# Altium PCB 大风车.PcbDoc (continued)
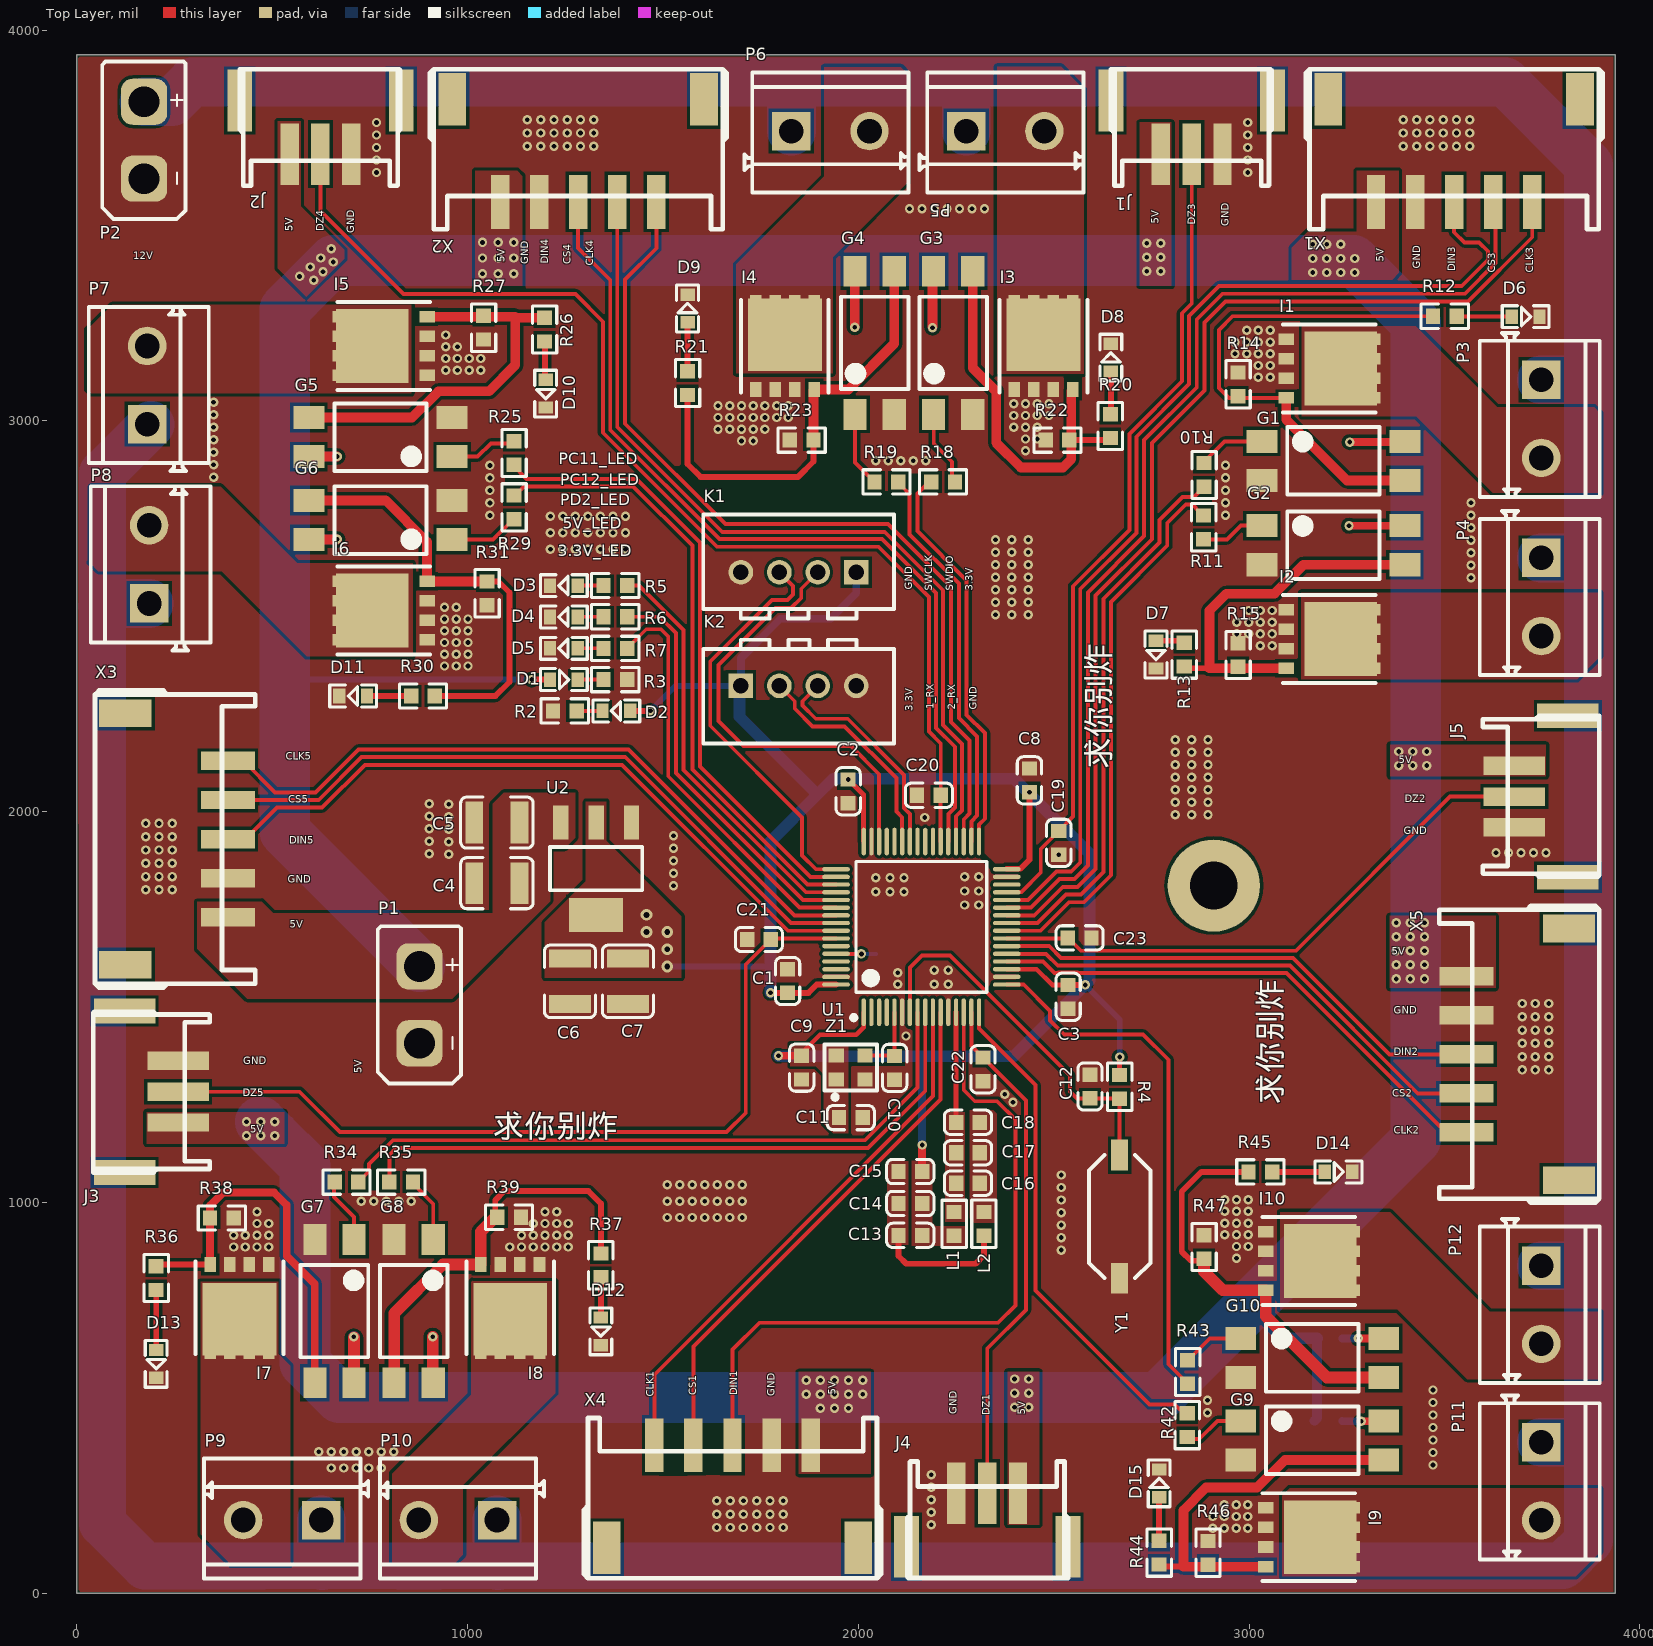
[diagram p0: Top Layer view]
## Nets (pads, with @x,y where several pads share a name; then routed paths per layer and width w, separated by ;. In a path a pad name is that pad's centre, name@x,y a point inside that pad or via, vN(x,y) a via of type N, cw(c..) or ccw(c..) an arc to the next point about the centre after c; other vN are vias at no path point)
3.3V: C1.1 C2.1 C3.1 C6.2 C7.2 C8.2 C9.2 C11.1 C13.2 C14.2 C15.2 D2.1 K1.1 K2.1 L1.1 R4.2 U1.1 U1.19 U1.32 U1.48 U1.64 U2.2 Z1.1 Z1.4 | length 5640.3
  Top Layer w12: C9.2 1855,1382 1902,1429 1995,1429 2013.86,1447.86 U1.1 ; U1.19 2456.11,1596.89 2496.37,1556.63 C3.1
  Top Layer w13: v1(1974,2082.63) 2013,2043.63 2013,1924.2 U1.48@2013.54,1923.66 ; R4.2 v1(2669,1372)
  Top Layer w15: D2.1 v1(1468,2258) ; v1(1775.37,1536.37) C1.1 1872.37,1536.37 1893.52,1557.52 U1.64 ; U1.32@2380,1854.12 2415.12,1854.12 2438,1877 v1(2438,2050) ; C3.1 v1(2580.63,1556.63)
  Top Layer w20: v1(1795.71,1375.29) C9.2 ; C15.2 v1(2163.37,1147)
  Bottom Layer w15: v1(1468,2258) 1532,2322 K2.1 ; v2(1511,1604) 1773.37,1604 1775.37,1606 ; v1(2580.63,1556.63) 2669,1468.26 v1(2669,1372)
  Bottom Layer w20: K2.1 1699.58,2393.57 1800,2494 1929,2494 1994.85,2559.85 K1.1 ; v1(2163.37,1147) 2163.37,1373.66 2164,1374.29
  Bottom Layer w30: K2.1 1696,2318.43 1696,2243 1895,2044 ; v1(1775.37,1536.37) 1775.37,1606 1775.37,1924.37 1895,2044 ; v1@1795.71,1374.29 2164,1374.29 2398.29,1374.29 v1(2580.63,1556.63) 2592,1568 2592,1892 2399.37,2084.63 1935.63,2084.63 1895,2044
  other v2: 1511,1648 1458,1692 1511,1692 1458,1736
5V: C4.2 C5.2 D1.1 J1.1 J2.1 J3.1 J4.1 J5.1 P1.1 R8.2 R9.2 R16.2 R17.2 R24.2 R28.2 R32.2 R33.2 R40.2 R41.2 U2.3 X1.1 X2.1 X3.1 X4.1 X5.1 | length 11845.1
  Top Layer w15: v1@1164,2338 v1(1164.12,2338.12) D1.1
  Bottom Layer w15: 532,2338 532.12,2338.12 v1(1164.12,2338.12)
  Bottom Layer w25: R40.2@3167.57,441 3174,447.43 R41.2@3174,652
  Bottom Layer w30: 3001,735 3084,652 R41.2 R41.2@3174,652
  Bottom Layer w130: v1(470.27,1206.26) v1(506.27,1170.26) 584,1092.53 584,589 672,501 2011,501 2767,501 3001,735 3427,1161 3427,1644 3427,2118 3427,3251 3267,3411 2190,3411 657,3411 v1(606,3360) 532,3286 532,2338 532,1949.12 P1.1
  other v1: 1903,473 1939,473 1975,473 2400,476 2436,476 1867,509 1903,509 1939,509 1975,509 2011,509 2400,512 2436,512 1867,545 1903,545 1939,545 1975,545 2011,545 2400,548 2436,548 434.27,1170.26 470.27,1170.26 434.27,1206.26 506.27,1206.26 3377,1572 3413,1572 3449,1572 3377,1608 3413,1608 3449,1608 3377,1644 3413,1644 3449,1644 3377,1680 3413,1680 3449,1680 3377,1716 3413,1716 3449,1716 3383,2118 3419,2118 3455,2118 3383,2154 3419,2154 3455,2154 570,3370 1038,3377 1078,3377 1118,3377 3163,3380 3199,3380 3235,3380 3271,3380 630,3382 2738,3383 2774,3383 597,3394 656,3407 3163,3416 3199,3416 3235,3416 3271,3416 624,3417 1038,3417 1078,3417 1118,3417 2738,3419 2774,3419 651,3441 3163,3452 3199,3452 3235,3452 2738,3455 2774,3455 1038,3457 1078,3457 1118,3457
12V: P2.1 P3.1 P4.1 P5.1 P6.1 P7.1 P8.1 P9.1 P10.1 P11.1 P12.1 | length 15153.1
  Bottom Layer w120: P7.1@190,2991 66,2867 66,2526 66,178 174.21,69.79 474.17,69.79 474.38,70 628,70 826.62,70 826.84,69.79 923.94,69.79 924.15,70 1078,70 3803,70 3869,136
  Bottom Layer w125: 66,2526 73,2533 P8.1 ; P2.1 244.09,3817.09 295,3868 1828,3868 ; P9.1 625.61,72.39 628,70 ; P10.1 1075.39,72.61 1078,70 ; P6.1 1828.61,3867.39 1828,3868 ; P5.1 2276.39,3864.61 2273,3868 ; 2529.68,3868 2273,3868 ; 2539,3868 3656,3868 3869,3655 3869,3107 ; P11.1 3869,386 ; P12.1 3867,838 3869,840 ; P4.1 3868.39,2649.61 3869,2649 ; P3.1 3867.39,3105.39 3869,3107 ; 3869,136 3869,386 ; 1828,3868 2273,3868 ; 3869,386 3869,840 ; 3869,840 3869,2649 ; 3869,2649 3869,3107
GND: C1.2 C2.2 C3.2 C4.1 C5.1 C6.1 C7.1 C8.1 C9.1 C10.2 C11.2 C12.2 C19.1 C20.1 C21.1 C22.1 C23.1 D3.2 D4.2 D5.2 D6.2 D7.2 D8.2 D9.2 D10.2 D11.2 D12.2 D13.2 D14.2 D15.2 G1.2 G2.2 G3.2 G4.2 G5.2 G6.2 G7.2 G8.2 G9.2 G10.2 I1.S I2.S I3.S I4.S I5.S I6.S I7.S I8.S I9.S I10.S J1.3 J2.3 J3.3 J4.3 J5.3 K1.4 K2.4 P1.2 P2.2 R1.2 R2.1 R3.2 R14.1 R15.1 R22.1 R23.1 R27.1 R31.1 R38.1 R39.1 R46.1 R47.1 U1.6 U1.12 U1.18 U1.31 U1.47 U1.63 U2.1 X1.2 X2.2 X3.2 X4.2 X5.2 Y1.1 Z1.2
  other v1: 2907,166 2937,166 2967,166 2997,166 1638,168 1672,168 1706,168 1740,168 1774,168 1808,168 2186.37,175 2907,196 2937,196 2967,196 2997,196 1638,202 1672,202 1706,202 1740,202 1774,202 1808,202 2186.37,207 2937,226 2967,226 2997,226 1638,236 1672,236 1706,236 1740,236 1774,236 1808,236 2186.37,239 2186.37,271 2186.37,303 651,320.11 683,320.11 715,320.11 747,320.11 779,320.11 3470.89,328 3470.89,360 619,362 651,362 683,362 715,362 747,362 779,362 811,362 3470.89,392 3470.89,424 3470.89,456 2893.89,461.73 3470.89,488 2893.89,493.73 3470.89,520 2968,857 2519.11,878 401,886 431,886 461,886 491,886 1108,886 1138,886 1168,886 1198,886 1228,886 1258,886 2968,887 2998,887 2519.11,910 401,916 431,916 461,916 491,916 1138,916 1168,916 1198,916 1228,916 1258,916 2938,917 2968,917 2998,917 2519.11,942 461,946 491,946 1168,946 1198,946 1228,946 1258,946 2938,947 2968,947 2998,947 1511,961.33 1543,961.33 1575,961.33 1607,961.33 1639,961.33 1671,961.33 1703,961.33 2519.11,974 461,976 1198,976 1228,976 2938,977 2968,977 2998,977 727.73,1003.11 759.73,1003.11 791.73,1003.11 823.73,1003.11 855.73,1003.11 1511,1003.22 1543,1003.22 1575,1003.22 1607,1003.22 1639,1003.22 1671,1003.22 1703,1003.22 2519.11,1006 2938,1007 2968,1007 2998,1007 2519.11,1038 1511,1045.11 1543,1045.11 1575,1045.11 1607,1045.11 1639,1045.11 1671,1045.11 1703,1045.11 2519.11,1070 2396,1256 2375,1277 3699,1339.05 3733,1339.05 3767,1339.05 3699,1373.05 3733,1373.05 3767,1373.05 3699,1407.05 3733,1407.05 3767,1407.05 2122,1426 3699,1441.05 3733,1441.05 3767,1441.05 3699,1475.05 3733,1475.05 3767,1475.05 3699,1509.05 3733,1509.05 3767,1509.05 2101,1558 2194.4,1558.66 2230.4,1558.66 2101,1588 2194.4,1594.66 2230.4,1594.66 2272,1761.11 2308,1761.11 2045,1795 2081,1795 2117,1795 2272,1797.11 2308,1797.11 176.17,1799.95 210.17,1799.95 244.17,1799.95 1526.89,1810.73 2045,1831 2081,1831 2117,1831 2272,1833.11 2308,1833.11 176.17,1833.95 210.17,1833.95 244.17,1833.95 1526.89,1842.73 176.17,1867.95 210.17,1867.95 244.17,1867.95 1526.89,1874.73 2513,1890 952.04,1891.27 901.57,1892.12 3632,1895.11 3664,1895.11 3696,1895.11 3728,1895.11 3760,1895.11 176.17,1901.95 210.17,1901.95 244.17,1901.95 1526.89,1906.73 952.04,1923.27 901.57,1924.12 176.17,1935.95 210.17,1935.95 244.17,1935.95 1526.89,1938.73 952.04,1955.27 901.57,1956.12 176.17,1969.95 210.17,1969.95 244.17,1969.95 2170,1985 952.04,1987.27 901.57,1988.12 2811.11,1992.27 2853,1992.27 2894.89,1992.27 952.04,2019.27 901.57,2020.12 2811.11,2024.27 2853,2024.27 2894.89,2024.27 2811.11,2056.27 2853,2056.27 2894.89,2056.27 2811.11,2088.27 2853,2088.27 2894.89,2088.27 2811.11,2120.27 2853,2120.27 2894.89,2120.27 2811.11,2152.27 2853,2152.27 2894.89,2152.27 2811.11,2184.27 2853,2184.27 2894.89,2184.27 941,2373 971,2373 1001,2373 941,2403 971,2403 1001,2403 3029,2425 3059,2425 941,2433 971,2433 1001,2433 2969,2455 2999,2455 3029,2455 3059,2455 941,2463 971,2463 1001,2463 2969,2485 2999,2485 3029,2485 3059,2485 941,2493 971,2493 1001,2493 2351,2504 2392.89,2504 2434.78,2504 2999,2515 3029,2515 3059,2515 941,2523 971,2523 2351,2536 2392.89,2536 2434.78,2536 2351,2568 2392.89,2568 2434.78,2568 3568.11,2599 2351,2600 2392.89,2600 2434.78,2600 3568.11,2631 2351,2632 2392.89,2632 2434.78,2632 3568.11,2663 2351,2664 2392.89,2664 2434.78,2664 1212,2672.11 1244,2672.11 1276,2672.11 1308,2672.11 1340,2672.11 1372,2672.11 1404,2672.11 3568.11,2695 2351,2696 2392.89,2696 2434.78,2696 1212,2714 1244,2714 1276,2714 1308,2714 1340,2714 1372,2714 1404,2714 3568.11,2727 1212,2755.89 1244,2755.89 1276,2755.89 1308,2755.89 1340,2755.89 1372,2755.89 1404,2755.89 1057.11,2758.27 2939.89,2758.73 3568.11,2759 1057.11,2790.27 2939.89,2790.73 3568.11,2791 1057.11,2822.27 2939.89,2822.73 1057.11,2854.27 2939.89,2854.73 349.89,2856 1057.11,2886.27 2939.89,2886.73 349.89,2888 2044.73,2898.11 2076.73,2898.11 2108.73,2898.11 2140.73,2898.11 2172.73,2898.11 349.89,2920 2428,2924 1701,2949 1731,2949 349.89,2952 2428,2954 2458,2954 1641,2979 1671,2979 1701,2979 1731,2979 1761,2979 349.89,2984 2398,2984 2428,2984 2458,2984 1641,3009 1671,3009 1701,3009 1731,3009 1761,3009 1791,3009 1821,3009 2398,3014 2428,3014 2458,3014 2488,3014 349.89,3016 1641,3039 1671,3039 1701,3039 1731,3039 1761,3039 1791,3039 1821,3039 2398,3044 2428,3044 2458,3044 2488,3044 349.89,3048 3024,3112 3054,3112 944,3130 974,3130 1004,3130 1034,3130 3024,3142 3054,3142 944,3160 974,3160 1004,3160 1034,3160 2964,3172 2994,3172 3024,3172 3054,3172 944,3190 974,3190 2964,3202 2994,3202 3024,3202 3054,3202 944,3220 2994,3232 3024,3232 3054,3232 2131,3543.11 2163,3543.11 2195,3543.11 2227,3543.11 2259,3543.11 2291,3543.11 2323,3543.11 767,3636 2997,3636 767,3668 2997,3668 767,3700 2997,3700 1153,3703 1187,3703 1221,3703 1255,3703 1289,3703 1323,3703 3395,3703 3429,3703 3463,3703 3497,3703 3531,3703 3565,3703 767,3732 2997,3732 1153,3737 1187,3737 1221,3737 1255,3737 1289,3737 1323,3737 3395,3737 3429,3737 3463,3737 3497,3737 3531,3737 3565,3737 767,3764 2997,3764 1153,3771 1187,3771 1221,3771 1255,3771 1289,3771 1323,3771 3395,3771 3429,3771 3463,3771 3497,3771 3531,3771 3565,3771
NetC13_1: C13.1 C14.1 C15.1 L2.1 | length 339.5
  Top Layer w15: C13.1 2102.74,862.63 2122.37,843 2300.37,843 2321.37,864 L2.1
NetC16_1: C16.1 C17.1 C18.1 L2.2
NetD1_2: D1.2 R3.1 | length 66.1
  Top Layer w10: D1.2 1281.76,2338 R3.1
NetD2_2: D2.2 R2.2 | length 66.1
  Top Layer w10: R2.2 D2.2
NetD3_1: D3.1 R5.1 | length 66.3
  Top Layer w10: D3.1 1282.13,2579 R5.1
NetD4_1: D4.1 R6.1 | length 66.3
  Top Layer w10: D4.1 1282.26,2499 R6.1
NetD5_1: D5.1 R7.1 | length 66.2
  Top Layer w10: D5.1 1347.43,2418.25 R7.1
NetD6_1: D6.1 R12.1 | length 133.6
  Top Layer w10: R12.1@3539,3267 D6.1
NetD7_1: D7.1 R13.1 | length 73.3
  Top Layer w15: D7.1 2834.2,2437.43 R13.1@2835,2438.23
NetD8_1: D8.1 R20.1 | length 104.4
  Top Layer w15: D8.1 2647,3125.91 R20.1@2647,3022.43
NetD9_1: D9.1 R21.1 | length 120.1
  Top Layer w15: R21.1@1563,3132.43 D9.1
NetD10_1: D10.1 R26.1 | length 88.8
  Top Layer w15: R26.1@1198,3193.37 1198,3107.43 D10.1
NetD11_1: D11.1 R30.1 | length 107.9
  Top Layer w15: D11.1 R30.1@850.57,2296
NetD12_1: D12.1 R37.1 | length 98.1
  Top Layer w15: D12.1 R37.1@1341,803.57
NetD13_1: D13.1 R36.1 | length 148.4
  Top Layer w15: D13.1 R36.1@203,770.85
NetD14_1: D14.1 R45.1 | length 129.1
  Top Layer w15: R45.1@3064.43,1078 D14.1
NetD15_1: D15.1 R44.1 | length 106.6
  Top Layer w15: R44.1@2770,139 D15.1
NetG1_1: G1.1 R10.2 | length 171.2
  Top Layer w10: R10.2@2884,2894.43 2937.57,2948 G1.1
NetG1_3: G1.3 I1.G R12.2 R14.2 | length 1312.4
  Top Layer w10: I1.G@3095.01,3058.57 2948.43,3058.57 2923,3084 2923,3233 2958,3268 R12.2@3465.57,3268
  Top Layer w25: I1.G 3095.01,3058.57 3095.01,3003.99 3251,2848 G1.3
NetG1_4: G1.4 R8.1 | length 200
  Top Layer w20: v1(3258,2946) 3391.14,2946 3393.14,2944 3396.14,2947 3397.14,2946 G1.4
  Bottom Layer w20: v1(3258,2946) R8.1@3313.57,2946
NetG2_1: G2.1 R11.2 | length 163.7
  Top Layer w10: R11.2@2884,2696.57 2943.57,2696.57 2979,2732 G2.1
NetG2_3: G2.3 I2.G R13.2 R15.2 | length 957.6
  Top Layer w15: R13.2@2834.2,2366.57 2834.63,2367 2899,2367
  Top Layer w25: I2.G 2899,2367 2899,2515 2942,2558 3065,2558 3139,2632 G2.3
NetG2_4: G2.4 R9.1 | length 197.7
  Top Layer w20: v1@3259,2732 G2.4
  Bottom Layer w20: v1(3256,2732) R9.1@3313.57,2732
NetG3_1: G3.1 R18.2 | length 192.1
  Top Layer w10: G3.1 2193,2942 2239.43,2895.57 R18.2@2239.43,2844
NetG3_3: G3.3 I3.G R20.2 R22.2 | length 971
  Top Layer w15: R22.2@2545.23,2951 2545.8,2951.57 R20.2@2645,2951.57
  Top Layer w25: G3.3 2293,3135 2353,3075 2353,2944 2416,2881 2524,2881 2545.23,2902.23 2545.23,2951 2545.23,3076.92 I3.G
NetG3_4: G3.4 R16.1 | length 201.8
  Top Layer w25: v1@2190,3241 2190,3380 G3.4
  Bottom Layer w25: v1(2190,3239) R16.1@2190,3297.57
NetG4_1: G4.1 R19.2 | length 193.4
  Top Layer w10: G4.1 1992,2893.57 R19.2@2041.57,2844
NetG4_3: G4.3 I4.G R21.2 R23.2 | length 1147.5
  Top Layer w15: R21.2@1563,3061.57 1563,2890 1596,2857 1846,2857 1885.23,2896.23 R23.2@1885.23,2951
  Top Layer w25: R23.2@1885.23,2951 1885.23,3078.92 I4.G 1974.69,3080.69 2092,3198 G4.3
NetG4_4: G4.4 R17.1 | length 201.8
  Top Layer w25: v1(1991,3240) 1991,3380 1990,3381 G4.4
  Bottom Layer w25: v1(1991,3240) R17.1@1991,3297.57
NetG5_1: G5.1 R25.2 | length 171
  Top Layer w10: G5.1 1025.61,2908.61 1059.82,2942.82 R25.2@1117,2942.82
NetG5_3: G5.3 I5.G R26.2 R27.2 | length 1008.4
  Top Layer w25: G5.3 857.61,3008.61 925,3076 1055,3076 1122,3143 1122,3264.23 ; I5.G 1122,3267 1122,3264.23 ; R26.2@1197,3264.23 1122,3264.23
NetG5_4: G5.4 R24.1 | length 113.2
  Top Layer w25: G5.4 594.39,2909 v1(666,2909)
  Bottom Layer w25: R24.1@625,2909 v1(666,2909)
NetG6_1: G6.1 R29.2 | length 178.5
  Top Layer w10: G6.1 1064.82,2696.39 R29.2@1117,2748.57
NetG6_3: G6.3 I6.G R30.2 R31.2 | length 1099
  Top Layer w15: R30.2@921.43,2296 1071,2296 1107,2332 1107,2561 1078.77,2589.23 R31.2
  Top Layer w25: G6.3 790.61,2796.39 896.31,2690.69 I6.G 897.08,2589.23 R31.2
NetG6_4: G6.4 R28.1 | length 113.3
  Top Layer w25: G6.4 594.61,2697 v1(666,2697)
  Bottom Layer w25: R28.1@625,2697 v1(666,2697)
NetG7_1: G7.1 R34.2 | length 168.1
  Top Layer w10: R34.2@658.57,1052 658.57,1013.43 709,963 G7.1
NetG7_3: G7.3 I7.G R36.2 R38.2 | length 996.4
  Top Layer w15: R36.2@203,841.72 203.73,840.99 I7.G
  Top Layer w20: I7.G 341,992 374,1025 505,1025 537,993 537,863 609,791 G7.3
NetG7_4: G7.4 R32.1 | length 159.9
  Top Layer w30: G7.4 v1@709,654
  Bottom Layer w30: R32.1@709,611.43 v1(709,656)
NetG8_1: G8.1 R35.2 | length 170.2
  Top Layer w10: R35.2@856.43,1052 912,996.43 G8.1
NetG8_3: G8.3 I8.G R37.2 R39.2 | length 1046.8
  Top Layer w15: R39.2@1070.77,962 1070.77,1005.77 1094,1029 1309,1029 1341,997 R37.2@1341,874.43
  Top Layer w30: G8.3 812,716 936.99,840.99 I8.G 1034,925.23 R39.2@1070.77,962
NetG8_4: G8.4 R33.1 | length 164
  Top Layer w30: v1(911,656) 911,543.68 914,540.68 G8.4
  Bottom Layer w30: R33.1@911,611.43 v1(911,656)
NetG9_1: G9.1 R42.2 | length 156.1
  Top Layer w10: R42.2@2842,394.57 2872.57,394.57 2919,441 G9.1
NetG9_3: G9.3 I9.G R44.2 R46.2 | length 983.6
  Top Layer w15: R44.2@2770,68.13 2770.37,67.77 2832,67.77
  Top Layer w25: I9.G 3042.46,67.77 2832,67.77 2832,212 2890,270 3021,270 3092,341 G9.3
NetG9_4: G9.4 R40.1 | length 107.4
  Top Layer w20: v1(3287,440) 3344,440 G9.4
  Bottom Layer w20: R40.1@3238.43,441 3239.43,440 v1(3287,440)
NetG10_1: G10.1 R43.2 | length 160.7
  Top Layer w10: R43.2@2842,594.43 2899.57,652 G10.1
NetG10_3: G10.3 I10.G R45.2 R47.2 | length 1045.9
  Top Layer w15: R47.2@2885,850.57 2851.43,850.57 2828,874 2828,1028 2878,1078 R45.2@2993.57,1078
  Top Layer w30: R47.2@2885,850.57 2885,823 2933,775 I10.G 3042.69,708.31 3199,552 G10.3
NetG10_4: G10.4 R41.1 | length 106.6
  Top Layer w20: v1(3280,652) G10.4
  Bottom Layer w20: R41.1@3238.43,652 v1(3280,652)
NetI1_D: I1.D P3.2
NetI2_D: I2.D P4.2
NetI3_D: I3.D P5.2
NetI4_D: I4.D P6.2
NetI5_D: I5.D P7.2
NetI6_D: I6.D P8.2
NetI7_D: I7.D P9.2
NetI8_D: I8.D P10.2
NetI9_D: I9.D P11.2
NetI10_D: I10.D P12.2
NetR1_1: R1.1 U1.60 | length 101.9
  Top Layer w10: U1.60 1943.26,1636 v1(2008,1636)
  Bottom Layer w10: v1(2008,1636) R1.1@2044.77,1636
NRST: C12.1 R4.1 U1.7 Y1.2 | length 984.6
  Top Layer w10: U1.7 2131.97,1600.97 2163,1632 2235,1632 2542,1325 2542,1284 2559.63,1266.37 C12.1 2593.68,1265.69 R4.1 Y1.2
OSN_IN: C10.1 U1.5 Z1.3 | length 187.4
  Top Layer w10: Z1.3 2091.63,1376 2092.6,1375.03 U1.5
"PA0 DIN1": U1.14 X4.3 | length 1854.3
  Top Layer w10: X4.3 1678,623 1746.87,691.87 2357.87,691.87 2402.13,736.13 2402.13,1211.87 2355,1259 2298,1259 2269.77,1287.23 U1.14
"PA1 DZ1": C22.2 J4.2 U1.15 | length 1329.7
  Top Layer w10: U1.15 2289.45,1400.55 C22.2 2429,1261 2429,725 2330,626 J4.2
"PA2 DT2_1": R42.1 U1.16 | length 1293.8
  Top Layer w10: U1.16 2309.14,1444.86 2454,1300 2454,775 2745.75,483.25 2809.98,483.25 R42.1@2842,451.23
"PA3 DT2_2": R43.1 U1.17 | length 1354.9
  Top Layer w10: U1.17 2423.48,1557.52 2491,1490 2491,1466 2527,1430 2729,1430 2794,1365 2794,585.77 R43.1@2842,537.77
"PA4 CLK2": U1.20 X5.5 | length 1358.9
  Top Layer w10: U1.20 2472.42,1616.58 2502.37,1586.63 2511.02,1586.63 2512.32,1587.94 2561.68,1587.94 2562.98,1586.63 3096.37,1586.63 3503.95,1179.05 X5.5
"PA5 CS2": U1.21 X5.4 | length 1324.6
  Top Layer w10: U1.21 2480.57,1636.26 2510.52,1606.31 2675.61,1606.31 3104.52,1606.31 3431.78,1279.05 X5.4
"PA6 DIN2": U1.22 X5.3 | length 1291.3
  Top Layer w10: U1.22 2488.73,1655.95 2518.68,1626 3112.68,1626 3359.63,1379.05 X5.3
"PA7 DZ2": C23.2 J5.2 U1.23 | length 1477
  Top Layer w10: U1.23 2534.65,1675.63 C23.2 2537,1677 2570,1644 3120,1644 3514.74,2038.74 J5.2
"PA9 1_TX": K2.3 U1.42 | length 576.6
  Top Layer w10: K2.3 1857,2282.57 1857,2272 1891,2238 1973,2238 2117,2094 2117,2008.83 2131.97,1993.86 U1.42
"PA10 1_RX": K2.2 U1.43 | length 576.6
  Top Layer w10: K2.2 1837.32,2282.68 1837.32,2263.85 1882.85,2218.32 1964.85,2218.32 2097.32,2085.85 2097.32,2000.68 2112.29,1985.71 U1.43
"PA13 SWDIO": K1.2 U1.46 | length 1149.6
  Top Layer w10: K1.2 1854,2570.57 1854,2547.3 1827.7,2521 1787.7,2521 1642,2375.3 1642,2232 1706,2168 1981,2168 2053.23,2095.77 U1.46
"PA14 SWCLK": K1.3 U1.49 | length 1049.7
  Top Layer w10: K1.3 1833,2578 1833,2556 1819,2542 1779,2542 1621,2384 1621,2220 1856,1985 1856,1888 1891.2,1852.8 U1.49
"PA15 DT5_1": R25.1 U1.50 | length 1597.8
  Top Layer w10: R25.1@1117,2886.15 1151.15,2852 1432,2852 1595,2689 1595,2116 1877.89,1833.11 U1.50
"PB0 CLK3": U1.26 X1.5 | length 2810.1
  Top Layer w10: U1.26 2450.37,1734.69 2523.31,1807.63 2561.31,1807.63 2607.37,1853.69 2607.37,2553.24 2751.37,2697.24 2751.37,2943.37 2886,3078 2886,3252 2940,3306 3560.68,3306 3725,3470.32 X1.5
"PB1 CS3": U1.27 X1.4 | length 2749.5
  Top Layer w10: U1.27 2442.22,1754.37 2515.16,1827.31 2553.16,1827.31 2587.69,1861.84 2587.69,2561.39 2731.69,2705.39 2731.69,2951.52 2866.32,3086.15 2866.32,3260.15 2931.85,3325.68 3552.53,3325.68 3631.32,3404.47 3631.32,3554.29 X1.4
"PB2 DIN3": U1.28 X1.3 | length 2772.4
  Top Layer w10: U1.28 2434.06,1774.06 2507,1847 2545,1847 2568,1870 2568,2569.54 2712,2713.54 2712,2959.68 2846.63,3094.31 2846.63,3268.31 2923.69,3345.37 3544.37,3345.37 3611.63,3412.63 3611.63,3434.37 3589,3457 3551,3457 3525,3483 X1.3
"PB3 CLK5": U1.55 X3.5 | length 1811.1
  Top Layer w10: X3.5 427.05,2129.95 507.36,2049.64 610.97,2049.64 720.69,2159.37 1411.63,2159.37 1836.31,1734.69 U1.55
"PB4 CS5": U1.56 X3.4 | length 1777.8
  Top Layer w10: X3.4 619.12,2029.95 728.85,2139.68 1403.47,2139.68 1828.15,1715 U1.56
"PB5 DIN5": U1.57 X3.3 | length 1811
  Top Layer w10: X3.3 431.95,1929.95 512.27,2010.27 627.5,2010.27 ; 627.5,2010.5 737,2120 1395.32,2120 1820,1695.32 U1.57
"PB6 DZ5": C21.2 J3.2 U1.58 | length 2151.2
  Top Layer w10: J3.2 569.74,1283.26 673,1180 1663,1180 1712,1229 1712,1609 C21.2 ; C21.2@1778.37,1675.63 U1.58
"PB10 DZ3": C19.2 J1.2 U1.29 | length 2106.9
  Top Layer w10: U1.29 2381.18,1794.92 2417.51,1794.92 2467,1844.41 2467,1904.63 C19.2 2550,1987.63 2550,2577 2694,2721 2694,2967.13 2828.63,3101.76 2828.63,3275.76 2853.37,3300.5 J1.2
"PB12 DT4_1": R18.1 U1.33 | length 1016.3
  Top Layer w10: R18.1 2181,2844 2151,2814 2151,2718 2277,2592 2277,2248 2324,2201 2324,1982 2309.14,1967.14 U1.33
"PB13 DT4_2": R19.1 U1.34 | length 1006
  Top Layer w10: R19.1@2112.43,2844 2112.43,2831.57 2131.31,2812.69 2131.31,2709.84 2257.31,2583.84 2257.31,2239.84 2304.31,2192.84 2304.31,1990.16 2289.45,1975.3 U1.34
"PB14 CLK4": U1.35 X2.5 | length 2285.4
  Top Layer w10: X2.5 1483,3442 1403,3362 1403,2993 1660,2736 2076,2736 2237,2575 2237,2230 2285,2182 2285,1995 2269.77,1979.77 U1.35
"PB15 CS4": U1.36 X2.4 | length 2252.2
  Top Layer w10: X2.4 1383,2984.72 1651.72,2716 2067.72,2716 2217,2566.72 2217,2221.72 2265,2173.72 2265,2003.28 2250.08,1988.36 U1.36
"PC0 DT1_1": R34.1 U1.8 | length 1735.2
  Top Layer w10: R34.1 748,1079.69 748,1098 809,1159 2017,1159 2151.66,1293.66 U1.8
"PC1 DT1_2": R35.1 U1.9 | length 1718.9
  Top Layer w10: R35.1@796,1044 R35.1@802,1050 ; R35.1 799.77,1121.94 817.15,1139.32 2025.15,1139.32 2171.34,1285.51 U1.9
"PC2 CLK1": U1.10 X4.5 | length 1403.6
  Top Layer w10: X4.5 1478,558.83 2191.03,1271.86 U1.10
"PC3 CS1": U1.11 X4.4 | length 1370.3
  Top Layer w10: X4.4 1578,631 2210.71,1263.71 U1.11
"PC4 DT3_2": R11.1 U1.24 | length 1407.1
  Top Layer w10: U1.24 2466.68,1695.32 2539.62,1768.26 2577.62,1768.26 2646.74,1837.38 2646.74,2536.93 2790.74,2680.93 2790.74,2738.74 2838,2786 2855,2786 2873.57,2767.43 R11.1@2884,2767.43
"PC5 DT3_1": R10.1 U1.25 | length 1411.2
  Top Layer w10: U1.25 2458.52,1715 2531.46,1787.94 2569.46,1787.94 2627.06,1845.54 2627.06,2545.08 2771.06,2689.08 2771.06,2746.89 2829.85,2805.68 2859,2805.68 R10.1
"PC6 DIN4": U1.37 X2.3 | length 2286.8
  Top Layer w10: X2.3 1283,3443 1365,3361 1365,2977.26 1644.26,2698 2060.26,2698 2199,2559.26 2199,2214.26 2247,2166.26 2247,2010.74 2230.4,1994.14 U1.37
"PC7 DZ4": C20.2 J2.2 U1.38 | length 2917.1
  Top Layer w10: J2.2 623.37,3537.63 836,3325 1276,3325 1347,3254 1347,2969.8 1638.8,2678 2052,2678 2181,2549 2181,2205 2211,2175 C20.2 2210.71,2041.71 U1.38
"PC10 DT5_2": R29.1 U1.51 | length 1594.9
  Top Layer w10: R29.1@1117,2805.23 1144.09,2832.32 1423.85,2832.32 1575.32,2680.85 1575.32,2107.85 1869.74,1813.43 U1.51
"PC11 LED": R5.2 U1.52 | length 1069.7
  Top Layer w10: R5.2 1439,2579 1553,2465 1553,2107 1866.26,1793.74 U1.52
"PC12 LED": R6.2 U1.53 | length 1044.7
  Top Layer w10: R6.2 1491.17,2499 1533.32,2456.85 1533.32,2098.85 1858.11,1774.06 U1.53
"PD2 LED": R7.2 U1.54 | length 1059.9
  Top Layer w10: R7.2 1457.32,2467 1495.32,2467 1513.63,2448.69 1513.63,2090.69 1849.95,1754.37 U1.54
VDDA: C16.2 C17.2 C18.2 L1.2 U1.13 | length 281.7
  Top Layer w13: C18.2@2250.08,1205 U1.13
pads on no net: J1.0 J2.0 J3.0 J4.0 J5.0 U1.2 U1.3 U1.4 U1.30 U1.39 U1.40 U1.41 U1.44 U1.45 U1.59 U1.61 U1.62 X1.0 X2.0 X3.0 X4.0 X5.0

## Polygon pours and split planes (outlines as drawn)
5V on Top Layer "5V_L01_P068" (solid, remove dead copper, pour order 68): 178.27,1231.26 531.27,1231.26 531.27,1150.26 178.27,1150.26
5V on Top Layer "5V_L01_P064" (solid, remove dead copper, pour order 64): 2801.37,3764 2801.37,3346 2720.37,3346 2720.37,3764
5V on Top Layer "5V_L01_P062" (solid, remove dead copper, pour order 62): 3760,2090.74 3361,2090.74 3361,2171.74 3760,2171.74
5V on Top Layer "5V_L01_P060" (solid, remove dead copper, pour order 60): 2382,175 2382,567 2463,567 2463,175
5V on Top Layer "5V_L01_P046" (solid, remove dead copper, pour order 46): 1848,566 2032,566 2032,305 1940,305 1848,305
NetI8_D on Top Layer "NETI8_D_L01_P002" (solid, remove dead copper, pour order 2): 1009,799 1009,508 807,306 807,78 968,78 988,98 988,276 1224,512 1224,798
NetI7_D on Top Layer "NETI7_D_L01_P000" (solid, remove dead copper, pour order 0): 317,797 317,151 395,73 546,73 546,582 515,613 515,797
NetI9_D on Top Layer "NETI9_D_L01_P004" (solid, remove dead copper, pour order 4): 3085,43 3836,43 3898,105 3898,268 3104,268 3085,249
NetI10_D on Top Layer "NETI10_D_L01_P006" (solid, remove dead copper, pour order 6): 3080,726 3380,726 3558,548 3899,548 3899,719 3900,720 3616,720 3361,975 3080,975
NetI2_D on Top Layer "NETI2_D_L01_P008" (solid, remove dead copper, pour order 8): 3134,2339 3840,2339 3898,2397 3898,2561 3338,2561 3134,2561
NetI1_D on Top Layer "NETI1_D_L01_P010" (solid, remove dead copper, pour order 10): 3135.5,3012 3428,3012 3624,2816 3899,2816 3899,3019 3883,3035 3635,3035 3427,3243 3135.5,3243
NetI5_D on Top Layer "NETI5_D_L01_P012" (solid, remove dead copper, pour order 12): 856,3297 90,3297 27,3234 27,3081 37,3071 856,3071
NetI6_D on Top Layer "NETI6_D_L01_P014" (solid, remove dead copper, pour order 14): 859,2636 564,2636 368,2832 36,2832 36,2641 33,2638 55,2616 371,2616 371,2615 588,2398 859,2398
NetI3_D on Top Layer "NETI3_D_L01_P016" (solid, remove dead copper, pour order 16): 2577,3121 2577,3849 2519,3907 2355,3907 2355,3319 2355,3121
NetI4_D on Top Layer "NETI4_D_L01_P018" (solid, remove dead copper, pour order 18): 1934,3122 1934,3419 2125,3610 2125,3890 2109,3906 1913,3906 1913,3626 1688,3401 1688,3122
3.3V on Top Layer "3.3V_L01_P024" (solid, remove dead copper, pour order 24): 1303,2025 1303,1822 1198,1717 1198,1575 1547,1575 1547,1733 1355,1925 1355,2023 1355,2025
3.3V on Top Layer "3.3V_L01_P026" (solid, remove dead copper, pour order 26): 1826,1405 1826,1349 1891,1349 1912,1328 1912,1201 1936,1177 1974,1177 1974,1399 1968,1405
3.3V on Top Layer "3.3V_L01_P028" (solid, remove dead copper, pour order 28): 2137.37,1107 2137.37,889 2278.37,889 2278.37,939 2198.37,939 2189.37,948 2189.37,1107
NetC16_1 on Top Layer "NETC16_1_L01_P030" (solid, remove dead copper, pour order 30): 2285.37,1236 2285.37,960 2297.37,948 2354.37,948 2354.37,1227 2345.37,1236
NetC13_1 on Top Layer "NETC13_1_L01_P032" (solid, remove dead copper, pour order 32): 2074.37,1105 2074.37,891 2128.37,891 2128.37,1105
VDDA on Top Layer "VDDA_L01_P034" (solid, remove dead copper, pour order 34): 2222.37,1231 2222.37,950 2272.37,950 2272.37,1231
5V on Top Layer "5V_L01_P076" (solid, remove dead copper, pour order 76): 308,1769 308,1649 436,1521 961,1521 1211,1771 1211,1907 1249,1907 1275,1933 1275,2049 1093,2049 1064,2020 1064,1740 503,1740 473,1770
5V on Top Layer "5V_L01_P078" (solid, remove dead copper, pour order 78): 513,3767 514,3766 514,3391 587,3318 684,3415 684,3438 573,3549 573,3767
5V on Top Layer "5V_L01_P080" (solid, remove dead copper, pour order 80): 1020,3640 1020,3346 1140,3346 1140,3627 1127,3640
5V on Top Layer "5V_L01_P082" (solid, remove dead copper, pour order 82): 3276,3640 3276,3484 3150,3484 3110,3444 3110,3362 3366,3362 3383,3379 3383,3640
5V on Top Layer "5V_L01_P044" (solid, remove dead copper, pour order 44): 3360,1549.05 3360,1733.05 3514,1733.05 3631,1733.05 3631,1549.05
GND on Top Layer "GND_L01_P084" (solid, remove dead copper, pour order 84): 4,3932 3932,3932 3932,4 9,4 5,8
3.3V on Bottom Layer "3.3V_L02_P074" (solid, remove dead copper, pour order 74): 1433,1847 1433,1575 1547,1575 1547,1733
GND on Bottom Layer "GND_L02_P086" (solid, remove dead copper, pour order 86): 5,3932 3932,3932 3932,4 3931,5 5,5

## Other copper
Top Layer:
  pour cut-out: 1954.47,3059.79 1909.75,3059.79 1909.75,3056.63 1900,3046.88 1900,2841.2 1596.8,2841.2 1548,2890 1541.95,2883.95 1526.05,2883.95 1664.63,2745.37 2085.37,2745.37 2085.37,2738.63 2118,2706 2118,2819.69 2036.49,2819.69 2005.99,2819.69 1980,2897.49 1980,3059
  pour cut-out: 780.89,1038.75 780.89,1031.2 734.11,1031.2 734.11,1038.75 744.97,1049.61 768.13,1049.61 779,1038.75
  pour cut-out: 1135.91,2848.5 1117.13,2867.28 1096.2,2867.28 1096.2,2824.11 1117.13,2824.11 1134.02,2841 1142,2841
  pour cut-out: 2163.89,2864.8 2117.11,2864.8 2117.11,2856.33 2137.63,2835.81 2143.37,2835.81 2163.89,2856.33
  pour cut-out: 2904.8,2818.89 2896.33,2818.89 2878.03,2800.6 2878.03,2798.66 2875.56,2796.19 2896.33,2775.42 2896.33,2772.11 2904.8,2772.11
  pour cut-out: 2365.86,1227.58 2364.45,1227.58 2359,1222.13 2359,950.18 2337.17,928.36 2337.17,888.69 2092.79,888.69 2086.94,882.84 2078.78,891 2066.21,891 2066.21,1096.84 2065.22,1095.85 2060.85,1095.85 1591.25,626.25 1589.5,301.5 1596,303 1661,303 1661,624.74 1743.25,707 2354.25,707 2388.88,741.62 2388.88,1206.38
  pour cut-out: 1564.75,620.3 1562.83,622.21 1560.13,622.21 1491,553.09 1491,301 1562,301
  pour cut-out: 2487.33,1860.25 2493.75,1860.25 2497.63,1856.37 2492.33,1851.07 2489.4,1851.07 2487.33,1853.14
  pour cut-out: 2550.13,1969.01 2540.29,1959.18 2540.29,1924.32 2554.75,1924.32 2554.75,1967.1
  pour cut-out: 2480.25,1899.25 2486,1905 2487.33,1903.67 2487.33,1846.07 2486.8,1846.07 2484.61,1843.88 2482.43,1846.07 2480.25,1846.07
  pour cut-out: 1814.97,2286.28 1740.29,2286.28 1739.07,2287.5 1733.74,2282.16 1656.16,2282.16 1656.16,2236.59 1711.49,2181.25 1976.1,2181.25 1976.1,2184.18 1978.17,2186.25 1959.36,2205.07 1883.93,2205.07 1872,2217
  pour cut-out: 2224.49,1456.82 2235.3,1456.82 2235.3,1239.16 2222.37,1239.16 2211.88,1228.67 2211.88,947.16 2201.75,947.16 2197.53,951.38 2197.53,1099.35 2181.72,1115.16 2178.57,1112 2080,1112 2080,1114.26 2219,1253.26 2219,1458
  pour cut-out: 2013.19,1451 1974.81,1412.62 1974.81,1357.63 1984.44,1348 2080,1348 2080,1450 2081,1451
  pour cut-out: 2403,1583 2403,1568 2404.11,1566.89 2509.71,1496 2509.71,1530.32 2509.71,1542.36
  pour cut-out: 2448.53,1865.18 2452.23,1865.18 2453.75,1863.67 2453.75,1849.9 2425.34,1821.5 2419.64,1827.21 2409.84,1827.21 2409.84,1833.03 2415.12,1838.32
  pour cut-out: 2322.92,1893.82 2350.16,1866.58 2336.39,1852.8 2314.41,1874.77 2314.41,1881.09
Bottom Layer:
  pour cut-out: 921.33,1394 1707,1394 1778,1465 1778,1526 1768.18,1526 1768.18,1477.18 1702,1411 898.67,1411
  pour cut-out: 1788.5,1360.5 1756,1328 890,1328 890,1344 1756,1344 1782,1370

## Silkscreen, mask and mechanical layers (free items; w line width, h text height)
Top Overlay:
  text "5V" at 2776,3505 h32 r90
  text "DZ3" at 2869,3502 h32 r90
  text "GND" at 2955,3498 h32 r90
  text "5V" at 559,3486 h32 r90
  text "5V" at 559,3486 h32 r90
  text "DZ4" at 638,3486 h32 r90
  text "GND" at 716,3481 h32 r90
  text "12V" at 144,3407 h32
  text "5V" at 3351,3407 h32 r90
  text "5V" at 1101,3406 h32 r90
  text "DIN4" at 1213,3402 h32 r90
  text "GND" at 1162,3401 h32 r90
  text "CS4" at 1270,3401 h32 r90
  text "CLK4" at 1328,3397 h32 r90
  text "GND" at 3445,3389 h32 r90
  text "DIN3" at 3534,3383 h32 r90
  text "CS3" at 3636,3380 h32 r90
  text "CLK3" at 3734,3380 h32 r90
  text "PC11_LED" at 1233,2879 h50
  text "PC12_LED" at 1237,2825 h50
  text "PD2_LED" at 1237,2774 h50
  text "5V_LED" at 1244,2714 h50
  text "3.3V_LED" at 1231,2643 h50
  text "GND" at 2144,2568 h32 r90
  text "SWCLK" at 2196,2566 h32 r90
  text "SWDIO" at 2250,2566 h32 r90
  text "3.3V" at 2299,2565 h32 r90
  text "1_RX" at 2200,2262 h32 r90
  text "2_RX" at 2255,2261 h32 r90
  text "GND" at 2309,2261 h32 r90
  text "3.3V" at 2146,2257 h32 r90
  text "CLK5" at 534,2126 h32
  text "5V" at 3383,2118 h32
  text "求你别炸" at 2663,2109 h100 r90
  text "DZ2" at 3398,2018 h32
  text "CS5" at 541,2017 h32
  text "GND" at 3396,1936 h32
  text "DIN5" at 543,1912 h32
  text "GND" at 540,1812 h32
  text "5V" at 545,1697 h32
  text "5V" at 3365,1627 h32
  text "GND" at 3370,1476 h32
  text "DIN2" at 3370,1370 h32
  text "GND" at 426,1347 h32
  text "5V" at 736,1330 h32 r90
  text "DZ5" at 424,1265 h32
  text "DZ5" at 424,1265 h32
  text "CS2" at 3366,1264 h32
  text "求你别炸" at 3102,1250 h100 r90
  text "5V" at 444,1172 h32
  text "CLK2" at 3370,1169 h32
  text "求你别炸" at 1064,1147 h100
  text "5V" at 1949,508 h32 r90
  text "CS1" at 1592,506 h32 r90
  text "DIN1" at 1696,506 h32 r90
  text "GND" at 1793,504 h32 r90
  text "CLK1" at 1483,503 h32 r90
  text "GND" at 2259,458 h32 r90
  text "5V" at 2434,456 h32 r90
  text "DZ1" at 2343,455 h32 r90
Bottom Solder:
  lines w75: 531,2604 509,2626 509,2963 538,2992 538,3017 ; 592,582 592,563 674,481 986,481 1007,502 ; 1900,3409 1914,3423 2430,3423 ; 3423,2576 3444,2597 3444,3017 3430,3031
  lines w115: 172.02,3817.09 245.09,3817.09 295,3867 3658,3867 3869,3656 3869,131 3808,70 174,70 67,177 67,2865 187,2985 ; 470.27,1206.26 592,1084.53 592,582 ; 531,2604 531,1949 875.91,1604.09 877.02,1604.09 ; 538,3017 538,3289 658,3409 1900,3409 ; 1007,502 2771,502 3423,1154 3423,2576 ; 2447,3406 3272,3406 3430,3248 3430,3031
  lines w130: 172.02,3465.98 172.02,3620.24
  lines w150: 172.02,3465.98 366,3272 366,1477 267,1378 267,488 415,340 2030,340 2031,341 2985,341 3068,258 3459,258 3586,385 3586,3426 3405,3607 185.27,3607
Mechanical 1:
  the board outline again, w10